# KiCad board GanJing 65 rev 2 solder-rounded.kicad_pcb (continued)
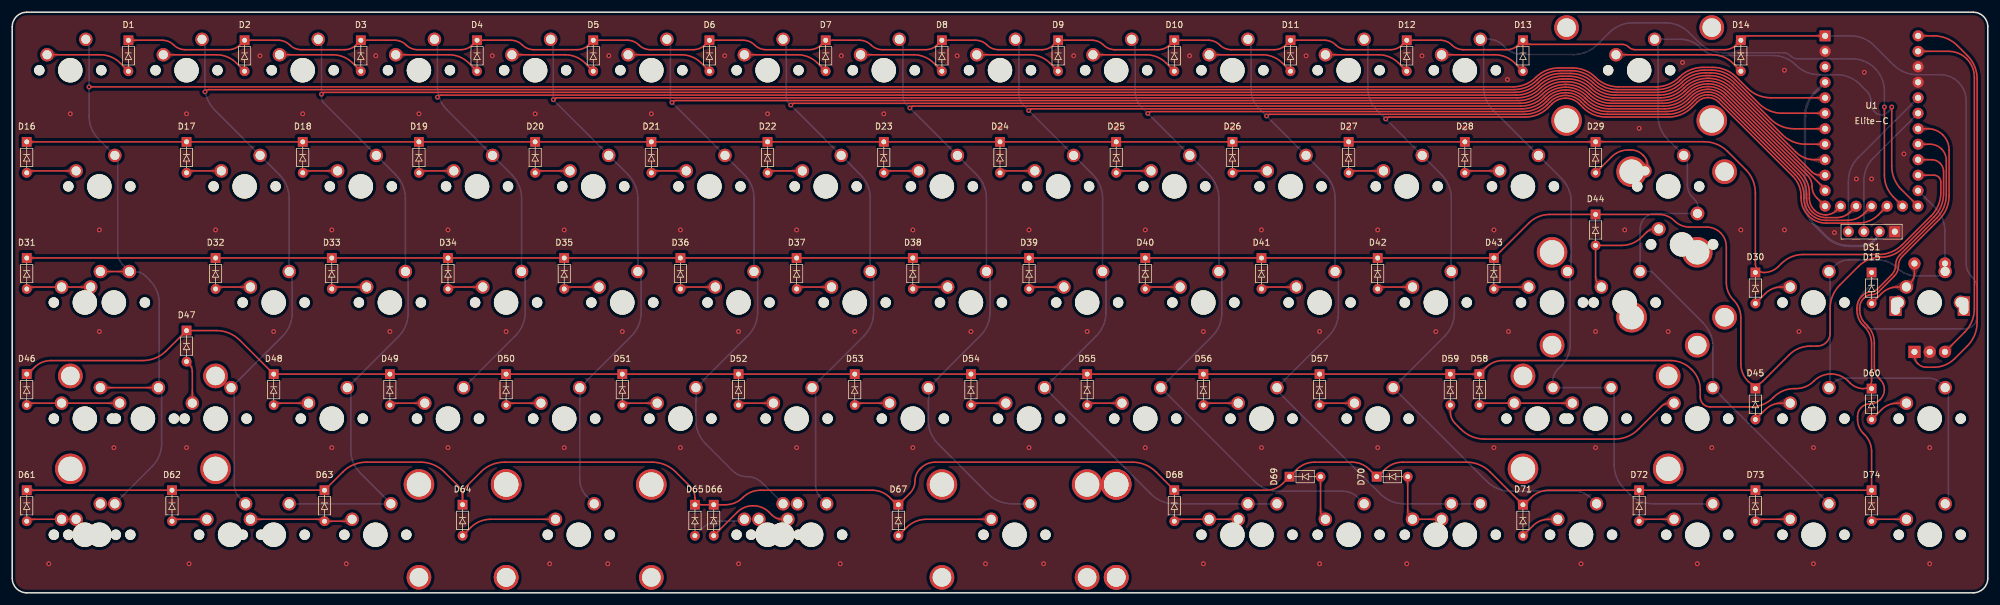
[diagram p0: board, top side]
## Copper pours and planes (outline as drawn; the poured copper is in the pictures) (continued)
col_8 on Top: 295.83,64.61 295.97,64.45 296.07,64.31 296.13,64.17 296.18,64.04 296.2,63.91 296.21,63.78 296.23,63.64 296.24,63.48 296.28,63.32 296.33,63.13 297.5,63.11 297.48,64.28 297.29,64.33 297.13,64.37 296.97,64.38 296.83,64.4 296.7,64.41 296.57,64.43 296.44,64.48 296.3,64.54 296.16,64.64 296,64.78
col_8 on Bottom: 146.12,88.77 146.14,89.05 146.17,89.29 146.21,89.49 146.26,89.67 146.32,89.83 146.38,89.99 146.43,90.16 146.47,90.34 146.5,90.55 146.51,90.81 145.12,91.27 144.83,89.87 145,89.78 145.16,89.69 145.31,89.62 145.44,89.55 145.57,89.47 145.67,89.38 145.76,89.28 145.82,89.14 145.86,88.98 145.88,88.77
col_8 on Bottom: 146.12,88.77 146.14,89.05 146.17,89.29 146.21,89.49 146.26,89.67 146.32,89.83 146.38,89.99 146.43,90.16 146.47,90.34 146.5,90.55 146.51,90.81 145.12,91.27 144.83,89.87 145,89.78 145.16,89.69 145.31,89.62 145.44,89.55 145.57,89.47 145.67,89.38 145.76,89.28 145.82,89.14 145.86,88.98 145.88,88.77
col_8 on Bottom: 160.43,50.68 160.44,50.96 160.46,51.2 160.51,51.4 160.56,51.57 160.61,51.73 160.67,51.89 160.72,52.06 160.76,52.24 160.79,52.45 160.8,52.71 159.4,53.17 159.13,51.77 159.3,51.67 159.46,51.59 159.61,51.52 159.74,51.45 159.87,51.37 159.97,51.29 160.06,51.18 160.12,51.05 160.16,50.88 160.18,50.68
col_8 on Bottom: 159.58,54.9 159.56,54.63 159.52,54.42 159.46,54.25 159.38,54.1 159.28,53.97 159.18,53.84 159.06,53.71 158.94,53.56 158.83,53.39 158.71,53.18 159.7,52.16 160.69,53.18 160.58,53.39 160.46,53.56 160.34,53.71 160.23,53.84 160.12,53.97 160.03,54.1 159.94,54.25 159.88,54.42 159.84,54.63 159.83,54.9
col_8 on Bottom: 164.66,14.48 164.92,14.47 165.13,14.43 165.3,14.36 165.45,14.28 165.58,14.19 165.71,14.08 165.84,13.97 165.99,13.85 166.16,13.73 166.37,13.62 167.4,14.6 166.37,15.59 166.16,15.48 165.99,15.36 165.84,15.24 165.71,15.13 165.58,15.02 165.45,14.93 165.3,14.85 165.13,14.78 164.92,14.74 164.66,14.73
col_8 on Bottom: 159.58,54.9 159.56,54.63 159.52,54.42 159.46,54.25 159.38,54.1 159.28,53.97 159.18,53.84 159.06,53.71 158.94,53.56 158.83,53.39 158.71,53.18 159.7,52.16 160.69,53.18 160.58,53.39 160.46,53.56 160.34,53.71 160.23,53.84 160.12,53.97 160.03,54.1 159.94,54.25 159.88,54.42 159.84,54.63 159.83,54.9
col_8 on Bottom: 164.66,14.48 164.92,14.47 165.13,14.43 165.3,14.36 165.45,14.28 165.58,14.19 165.71,14.08 165.84,13.97 165.99,13.85 166.16,13.73 166.37,13.62 167.4,14.6 166.37,15.59 166.16,15.48 165.99,15.36 165.84,15.24 165.71,15.13 165.58,15.02 165.45,14.93 165.3,14.85 165.13,14.78 164.92,14.74 164.66,14.73
col_8 on Bottom: 160.43,50.68 160.44,50.96 160.46,51.2 160.51,51.4 160.56,51.57 160.61,51.73 160.67,51.89 160.72,52.06 160.76,52.24 160.79,52.45 160.8,52.71 159.4,53.17 159.13,51.77 159.3,51.67 159.46,51.59 159.61,51.52 159.74,51.45 159.87,51.37 159.97,51.29 160.06,51.18 160.12,51.05 160.16,50.88 160.18,50.68
col_9 on Top: 298.32,62.09 298.54,62.19 298.73,62.26 298.9,62.31 299.05,62.35 299.19,62.38 299.33,62.4 299.48,62.43 299.63,62.47 299.81,62.51 300.02,62.58 300.04,63.75 298.87,63.73 298.82,63.54 298.78,63.36 298.76,63.2 298.75,63.04 298.72,62.9 298.69,62.77 298.63,62.64 298.53,62.53 298.4,62.42 298.22,62.32
col_9 on Top: 298.32,62.09 298.54,62.19 298.73,62.26 298.9,62.31 299.05,62.35 299.19,62.38 299.33,62.4 299.48,62.43 299.63,62.47 299.81,62.51 300.02,62.58 300.04,63.75 298.87,63.73 298.82,63.54 298.78,63.36 298.76,63.2 298.75,63.04 298.72,62.9 298.69,62.77 298.63,62.64 298.53,62.53 298.4,62.42 298.22,62.32
col_9 on Bottom: 179.43,50.65 179.44,50.94 179.47,51.18 179.52,51.38 179.58,51.56 179.64,51.72 179.7,51.88 179.76,52.05 179.81,52.23 179.84,52.45 179.85,52.71 178.48,53.18 178.13,51.8 178.3,51.69 178.46,51.6 178.61,51.52 178.74,51.45 178.87,51.37 178.97,51.28 179.06,51.16 179.12,51.03 179.16,50.86 179.18,50.65
col_9 on Bottom: 178.63,54.9 178.61,54.63 178.57,54.42 178.51,54.25 178.43,54.1 178.33,53.97 178.23,53.84 178.11,53.71 177.99,53.56 177.88,53.39 177.76,53.18 178.75,52.16 179.74,53.18 179.63,53.39 179.51,53.56 179.39,53.71 179.28,53.84 179.17,53.97 179.08,54.1 178.99,54.25 178.93,54.42 178.89,54.63 178.88,54.9
col_9 on Bottom: 178.63,54.9 178.61,54.63 178.57,54.42 178.51,54.25 178.43,54.1 178.33,53.97 178.23,53.84 178.11,53.71 177.99,53.56 177.88,53.39 177.76,53.18 178.75,52.16 179.74,53.18 179.63,53.39 179.51,53.56 179.39,53.71 179.28,53.84 179.17,53.97 179.08,54.1 178.99,54.25 178.93,54.42 178.89,54.63 178.88,54.9
col_9 on Bottom: 179.43,50.65 179.44,50.94 179.47,51.18 179.52,51.38 179.58,51.56 179.64,51.72 179.7,51.88 179.76,52.05 179.81,52.23 179.84,52.45 179.85,52.71 178.48,53.18 178.13,51.8 178.3,51.69 178.46,51.6 178.61,51.52 178.74,51.45 178.87,51.37 178.97,51.28 179.06,51.16 179.12,51.03 179.16,50.86 179.18,50.65
col_9 on Bottom: 205.14,14.48 205.4,14.47 205.61,14.43 205.78,14.36 205.93,14.28 206.07,14.19 206.19,14.08 206.32,13.97 206.47,13.85 206.64,13.73 206.85,13.62 207.88,14.6 206.85,15.59 206.64,15.48 206.47,15.36 206.32,15.24 206.19,15.13 206.07,15.02 205.93,14.93 205.78,14.85 205.61,14.78 205.4,14.74 205.14,14.73
col_9 on Bottom: 165.12,88.74 165.14,89.03 165.17,89.27 165.22,89.47 165.28,89.65 165.34,89.82 165.41,89.98 165.47,90.15 165.52,90.33 165.55,90.55 165.56,90.81 164.2,91.29 163.83,89.91 164,89.8 164.16,89.71 164.31,89.63 164.44,89.55 164.57,89.47 164.67,89.37 164.76,89.26 164.82,89.12 164.86,88.95 164.88,88.74
col_9 on Bottom: 205.14,14.48 205.4,14.47 205.61,14.43 205.78,14.36 205.93,14.28 206.07,14.19 206.19,14.08 206.32,13.97 206.47,13.85 206.64,13.73 206.85,13.62 207.88,14.6 206.85,15.59 206.64,15.48 206.47,15.36 206.32,15.24 206.19,15.13 206.07,15.02 205.93,14.93 205.78,14.85 205.61,14.78 205.4,14.74 205.14,14.73
col_9 on Bottom: 165.12,88.74 165.14,89.03 165.17,89.27 165.22,89.47 165.28,89.65 165.34,89.82 165.41,89.98 165.47,90.15 165.52,90.33 165.55,90.55 165.56,90.81 164.2,91.29 163.83,89.91 164,89.8 164.16,89.71 164.31,89.63 164.44,89.55 164.57,89.47 164.67,89.37 164.76,89.26 164.82,89.12 164.86,88.95 164.88,88.74
col_10 on Top: 300.66,61.84 300.91,61.97 301.12,62.08 301.3,62.16 301.47,62.23 301.62,62.28 301.78,62.33 302.12,62.44 302.32,62.5 302.56,62.58 302.58,63.75 301.41,63.73 301.34,63.5 301.29,63.29 301.26,63.11 301.22,62.93 301.18,62.77 301.12,62.62 301.04,62.47 300.92,62.33 300.76,62.2 300.54,62.06
col_10 on Top: 300.66,61.84 300.91,61.97 301.12,62.08 301.3,62.16 301.47,62.23 301.62,62.28 301.78,62.33 302.12,62.44 302.32,62.5 302.56,62.58 302.58,63.75 301.41,63.73 301.34,63.5 301.29,63.29 301.26,63.11 301.22,62.93 301.18,62.77 301.12,62.62 301.04,62.47 300.92,62.33 300.76,62.2 300.54,62.06
col_10 on Bottom: 198.43,50.62 198.44,50.91 198.47,51.15 198.53,51.36 198.59,51.54 198.66,51.71 198.73,51.87 198.8,52.04 198.85,52.23 198.89,52.44 198.9,52.71 197.56,53.2 197.13,51.83 197.3,51.71 197.46,51.62 197.61,51.53 197.74,51.45 197.87,51.36 197.97,51.27 198.06,51.15 198.12,51.01 198.16,50.83 198.18,50.62
col_10 on Bottom: 197.68,54.9 197.66,54.63 197.62,54.42 197.56,54.25 197.48,54.1 197.38,53.97 197.28,53.84 197.16,53.71 197.04,53.56 196.93,53.39 196.81,53.18 197.8,52.16 198.79,53.18 198.68,53.39 198.56,53.56 198.44,53.71 198.33,53.84 198.22,53.97 198.13,54.1 198.04,54.25 197.98,54.42 197.94,54.63 197.93,54.9
col_10 on Bottom: 219.64,16.17 219.89,16.02 220.07,15.87 220.2,15.71 220.29,15.54 220.35,15.36 220.39,15.17 220.42,14.96 220.45,14.74 220.5,14.5 220.58,14.24 222,14.22 221.98,15.64 221.7,15.73 221.47,15.8 221.26,15.86 221.07,15.9 220.89,15.95 220.7,16 220.51,16.06 220.29,16.14 220.04,16.25 219.75,16.39
col_10 on Bottom: 219.64,16.17 219.89,16.02 220.07,15.87 220.2,15.71 220.29,15.54 220.35,15.36 220.39,15.17 220.42,14.96 220.45,14.74 220.5,14.5 220.58,14.24 222,14.22 221.98,15.64 221.7,15.73 221.47,15.8 221.26,15.86 221.07,15.9 220.89,15.95 220.7,16 220.51,16.06 220.29,16.14 220.04,16.25 219.75,16.39
col_10 on Bottom: 184.22,88.77 184.24,89.05 184.27,89.29 184.31,89.49 184.36,89.67 184.42,89.83 184.48,89.99 184.53,90.16 184.57,90.34 184.6,90.55 184.61,90.81 183.22,91.27 182.93,89.87 183.1,89.78 183.26,89.69 183.41,89.62 183.54,89.55 183.67,89.47 183.77,89.38 183.86,89.28 183.92,89.14 183.96,88.98 183.97,88.77
col_10 on Bottom: 184.22,88.77 184.24,89.05 184.27,89.29 184.31,89.49 184.36,89.67 184.42,89.83 184.48,89.99 184.53,90.16 184.57,90.34 184.6,90.55 184.61,90.81 183.22,91.27 182.93,89.87 183.1,89.78 183.26,89.69 183.41,89.62 183.54,89.55 183.67,89.47 183.77,89.38 183.86,89.28 183.92,89.14 183.96,88.98 183.97,88.77
col_10 on Bottom: 198.43,50.62 198.44,50.91 198.47,51.15 198.53,51.36 198.59,51.54 198.66,51.71 198.73,51.87 198.8,52.04 198.85,52.23 198.89,52.44 198.9,52.71 197.56,53.2 197.13,51.83 197.3,51.71 197.46,51.62 197.61,51.53 197.74,51.45 197.87,51.36 197.97,51.27 198.06,51.15 198.12,51.01 198.16,50.83 198.18,50.62
col_10 on Bottom: 197.68,54.9 197.66,54.63 197.62,54.42 197.56,54.25 197.48,54.1 197.38,53.97 197.28,53.84 197.16,53.71 197.04,53.56 196.93,53.39 196.81,53.18 197.8,52.16 198.79,53.18 198.68,53.39 198.56,53.56 198.44,53.71 198.33,53.84 198.22,53.97 198.13,54.1 198.04,54.25 197.98,54.42 197.94,54.63 197.93,54.9
col_11 on Top: 303,61.6 303.27,61.77 303.5,61.91 303.7,62.02 303.88,62.11 304.05,62.19 304.22,62.27 304.4,62.34 304.6,62.41 304.83,62.49 305.1,62.58 305.12,63.75 303.95,63.73 303.87,63.46 303.8,63.23 303.75,63.02 303.7,62.82 303.64,62.64 303.56,62.47 303.45,62.31 303.31,62.15 303.11,61.98 302.87,61.81
col_11 on Top: 303,61.6 303.27,61.77 303.5,61.91 303.7,62.02 303.88,62.11 304.05,62.19 304.22,62.27 304.4,62.34 304.6,62.41 304.83,62.49 305.1,62.58 305.12,63.75 303.95,63.73 303.87,63.46 303.8,63.23 303.75,63.02 303.7,62.82 303.64,62.64 303.56,62.47 303.45,62.31 303.31,62.15 303.11,61.98 302.87,61.81
col_11 on Bottom: 216.73,54.9 216.71,54.63 216.67,54.42 216.61,54.25 216.53,54.1 216.43,53.97 216.33,53.84 216.21,53.71 216.09,53.56 215.98,53.39 215.86,53.18 216.85,52.16 217.84,53.18 217.73,53.39 217.61,53.56 217.49,53.71 217.38,53.84 217.27,53.97 217.18,54.1 217.09,54.25 217.03,54.42 216.99,54.63 216.98,54.9
col_11 on Bottom: 203.22,88.74 203.24,89.03 203.27,89.27 203.32,89.47 203.38,89.65 203.44,89.82 203.51,89.98 203.57,90.15 203.62,90.33 203.65,90.55 203.66,90.81 202.3,91.29 201.93,89.91 202.1,89.8 202.26,89.71 202.41,89.63 202.54,89.55 202.67,89.47 202.77,89.37 202.86,89.26 202.92,89.12 202.96,88.95 202.97,88.74
col_11 on Bottom: 208.79,35.29 208.59,35.12 208.42,35 208.25,34.92 208.09,34.87 207.92,34.84 207.76,34.83 207.59,34.82 207.4,34.8 207.19,34.76 206.97,34.69 206.94,33.27 208.37,33.29 208.43,33.52 208.47,33.73 208.49,33.91 208.5,34.09 208.52,34.25 208.54,34.41 208.59,34.57 208.67,34.74 208.79,34.92 208.96,35.12
col_11 on Bottom: 216.73,54.9 216.71,54.63 216.67,54.42 216.61,54.25 216.53,54.1 216.43,53.97 216.33,53.84 216.21,53.71 216.09,53.56 215.98,53.39 215.86,53.18 216.85,52.16 217.84,53.18 217.73,53.39 217.61,53.56 217.49,53.71 217.38,53.84 217.27,53.97 217.18,54.1 217.09,54.25 217.03,54.42 216.99,54.63 216.98,54.9
col_11 on Bottom: 238.47,14.48 238.74,14.47 238.95,14.43 239.12,14.36 239.27,14.28 239.4,14.19 239.53,14.08 239.66,13.97 239.81,13.85 239.98,13.73 240.19,13.62 241.22,14.6 240.19,15.59 239.98,15.48 239.81,15.36 239.66,15.24 239.53,15.13 239.4,15.02 239.27,14.93 239.12,14.85 238.95,14.78 238.74,14.74 238.47,14.73
col_11 on Bottom: 208.79,35.29 208.59,35.12 208.42,35 208.25,34.92 208.09,34.87 207.92,34.84 207.76,34.83 207.59,34.82 207.4,34.8 207.19,34.76 206.97,34.69 206.94,33.27 208.37,33.29 208.43,33.52 208.47,33.73 208.49,33.91 208.5,34.09 208.52,34.25 208.54,34.41 208.59,34.57 208.67,34.74 208.79,34.92 208.96,35.12
col_11 on Bottom: 203.22,88.74 203.24,89.03 203.27,89.27 203.32,89.47 203.38,89.65 203.44,89.82 203.51,89.98 203.57,90.15 203.62,90.33 203.65,90.55 203.66,90.81 202.3,91.29 201.93,89.91 202.1,89.8 202.26,89.71 202.41,89.63 202.54,89.55 202.67,89.47 202.77,89.37 202.86,89.26 202.92,89.12 202.96,88.95 202.97,88.74
col_11 on Bottom: 238.47,14.48 238.74,14.47 238.95,14.43 239.12,14.36 239.27,14.28 239.4,14.19 239.53,14.08 239.66,13.97 239.81,13.85 239.98,13.73 240.19,13.62 241.22,14.6 240.19,15.59 239.98,15.48 239.81,15.36 239.66,15.24 239.53,15.13 239.4,15.02 239.27,14.93 239.12,14.85 238.95,14.78 238.74,14.74 238.47,14.73
col_11 on Bottom: 208.7,31.98 208.55,32.16 208.44,32.32 208.38,32.47 208.35,32.62 208.34,32.77 208.36,32.93 208.4,33.27 208.42,33.47 208.43,33.68 207.08,34.14 206.67,32.77 206.88,32.63 207.08,32.53 207.26,32.46 207.43,32.41 207.6,32.36 207.77,32.3 207.94,32.23 208.12,32.14 208.31,32 208.53,31.8
col_11 on Bottom: 217.53,50.65 217.54,50.94 217.57,51.18 217.62,51.38 217.68,51.56 217.74,51.72 217.8,51.88 217.86,52.05 217.91,52.23 217.94,52.45 217.95,52.71 216.58,53.18 216.23,51.8 216.4,51.69 216.56,51.6 216.71,51.52 216.84,51.45 216.97,51.37 217.07,51.28 217.16,51.16 217.22,51.03 217.26,50.86 217.28,50.65
col_11 on Bottom: 208.7,31.98 208.55,32.16 208.44,32.32 208.38,32.47 208.35,32.62 208.34,32.77 208.36,32.93 208.4,33.27 208.42,33.47 208.43,33.68 207.08,34.14 206.67,32.77 206.88,32.63 207.08,32.53 207.26,32.46 207.43,32.41 207.6,32.36 207.77,32.3 207.94,32.23 208.12,32.14 208.31,32 208.53,31.8
col_11 on Bottom: 217.53,50.65 217.54,50.94 217.57,51.18 217.62,51.38 217.68,51.56 217.74,51.72 217.8,51.88 217.86,52.05 217.91,52.23 217.94,52.45 217.95,52.71 216.58,53.18 216.23,51.8 216.4,51.69 216.56,51.6 216.71,51.52 216.84,51.45 216.97,51.37 217.07,51.28 217.16,51.16 217.22,51.03 217.26,50.86 217.28,50.65
col_12 on Top: 306.16,62.08 306.32,62.22 306.46,62.32 306.6,62.38 306.73,62.43 306.86,62.45 306.99,62.46 307.13,62.48 307.29,62.49 307.45,62.53 307.64,62.58 307.66,63.75 306.49,63.73 306.44,63.54 306.4,63.38 306.39,63.22 306.37,63.08 306.36,62.95 306.34,62.82 306.29,62.69 306.23,62.55 306.13,62.41 305.99,62.25
col_12 on Top: 306.16,62.08 306.32,62.22 306.46,62.32 306.6,62.38 306.73,62.43 306.86,62.45 306.99,62.46 307.13,62.48 307.29,62.49 307.45,62.53 307.64,62.58 307.66,63.75 306.49,63.73 306.44,63.54 306.4,63.38 306.39,63.22 306.37,63.08 306.36,62.95 306.34,62.82 306.29,62.69 306.23,62.55 306.13,62.41 305.99,62.25
col_12 on Bottom: 257.74,16.17 257.99,16.02 258.17,15.87 258.3,15.71 258.39,15.54 258.45,15.36 258.49,15.17 258.52,14.96 258.55,14.74 258.6,14.5 258.68,14.24 260.1,14.22 260.08,15.64 259.8,15.73 259.57,15.8 259.36,15.86 259.17,15.9 258.99,15.95 258.8,16 258.61,16.06 258.39,16.14 258.14,16.25 257.85,16.39
col_12 on Bottom: 222.33,88.77 222.34,89.05 222.37,89.29 222.41,89.49 222.46,89.67 222.52,89.83 222.58,89.99 222.63,90.16 222.67,90.34 222.7,90.55 222.71,90.81 221.32,91.27 221.03,89.87 221.2,89.78 221.36,89.69 221.51,89.62 221.64,89.55 221.77,89.47 221.87,89.38 221.96,89.28 222.02,89.14 222.06,88.98 222.08,88.77
col_12 on Bottom: 236.53,50.62 236.54,50.91 236.57,51.15 236.63,51.36 236.69,51.54 236.76,51.71 236.83,51.87 236.9,52.04 236.95,52.23 236.99,52.44 237,52.71 235.66,53.2 235.23,51.83 235.4,51.71 235.56,51.62 235.71,51.53 235.84,51.45 235.97,51.36 236.07,51.27 236.16,51.15 236.22,51.01 236.26,50.83 236.28,50.62
col_12 on Bottom: 235.78,54.9 235.76,54.63 235.72,54.42 235.66,54.25 235.58,54.1 235.48,53.97 235.38,53.84 235.26,53.71 235.14,53.56 235.03,53.39 234.91,53.18 235.9,52.16 236.89,53.18 236.78,53.39 236.66,53.56 236.54,53.71 236.43,53.84 236.32,53.97 236.23,54.1 236.14,54.25 236.08,54.42 236.04,54.63 236.03,54.9
col_12 on Bottom: 235.78,54.9 235.76,54.63 235.72,54.42 235.66,54.25 235.58,54.1 235.48,53.97 235.38,53.84 235.26,53.71 235.14,53.56 235.03,53.39 234.91,53.18 235.9,52.16 236.89,53.18 236.78,53.39 236.66,53.56 236.54,53.71 236.43,53.84 236.32,53.97 236.23,54.1 236.14,54.25 236.08,54.42 236.04,54.63 236.03,54.9
col_12 on Bottom: 222.33,88.77 222.34,89.05 222.37,89.29 222.41,89.49 222.46,89.67 222.52,89.83 222.58,89.99 222.63,90.16 222.67,90.34 222.7,90.55 222.71,90.81 221.32,91.27 221.03,89.87 221.2,89.78 221.36,89.69 221.51,89.62 221.64,89.55 221.77,89.47 221.87,89.38 221.96,89.28 222.02,89.14 222.06,88.98 222.08,88.77
col_12 on Bottom: 257.74,16.17 257.99,16.02 258.17,15.87 258.3,15.71 258.39,15.54 258.45,15.36 258.49,15.17 258.52,14.96 258.55,14.74 258.6,14.5 258.68,14.24 260.1,14.22 260.08,15.64 259.8,15.73 259.57,15.8 259.36,15.86 259.17,15.9 258.99,15.95 258.8,16 258.61,16.06 258.39,16.14 258.14,16.25 257.85,16.39
col_12 on Bottom: 236.53,50.62 236.54,50.91 236.57,51.15 236.63,51.36 236.69,51.54 236.76,51.71 236.83,51.87 236.9,52.04 236.95,52.23 236.99,52.44 237,52.71 235.66,53.2 235.23,51.83 235.4,51.71 235.56,51.62 235.71,51.53 235.84,51.45 235.97,51.36 236.07,51.27 236.16,51.15 236.22,51.01 236.26,50.83 236.28,50.62
col_13 on Top: 308.53,64.61 308.67,64.45 308.77,64.31 308.83,64.17 308.88,64.04 308.9,63.91 308.91,63.78 308.93,63.64 308.94,63.48 308.98,63.32 309.03,63.13 310.2,63.11 310.18,64.28 309.99,64.33 309.83,64.37 309.67,64.38 309.53,64.4 309.4,64.41 309.27,64.43 309.14,64.48 309,64.54 308.86,64.64 308.7,64.78
col_13 on Top: 308.53,64.61 308.67,64.45 308.77,64.31 308.83,64.17 308.88,64.04 308.9,63.91 308.91,63.78 308.93,63.64 308.94,63.48 308.98,63.32 309.03,63.13 310.2,63.11 310.18,64.28 309.99,64.33 309.83,64.37 309.67,64.38 309.53,64.4 309.4,64.41 309.27,64.43 309.14,64.48 309,64.54 308.86,64.64 308.7,64.78
col_13 on Bottom: 255.43,54.73 255.41,54.52 255.38,54.36 255.31,54.23 255.23,54.12 255.12,54.03 255,53.96 254.86,53.89 254.71,53.82 254.55,53.74 254.39,53.65 254.65,52.24 256.05,52.71 256.04,52.96 256.01,53.17 255.97,53.35 255.92,53.51 255.87,53.67 255.81,53.83 255.76,54.01 255.72,54.21 255.69,54.44 255.68,54.73
col_13 on Bottom: 259.91,33.53 260.17,33.52 260.38,33.48 260.55,33.41 260.7,33.33 260.83,33.24 260.96,33.13 261.09,33.02 261.24,32.9 261.41,32.78 261.62,32.66 262.65,33.66 261.62,34.65 261.41,34.53 261.24,34.41 261.09,34.29 260.96,34.18 260.83,34.07 260.7,33.98 260.55,33.9 260.38,33.83 260.17,33.79 259.91,33.78
col_13 on Bottom: 276.57,14.48 276.84,14.47 277.05,14.43 277.22,14.36 277.37,14.28 277.5,14.19 277.63,14.08 277.76,13.97 277.91,13.85 278.08,13.73 278.29,13.62 279.31,14.6 278.29,15.59 278.08,15.48 277.91,15.36 277.76,15.24 277.63,15.13 277.5,15.02 277.37,14.93 277.22,14.85 277.05,14.78 276.84,14.74 276.57,14.73
col_13 on Bottom: 255.43,54.73 255.41,54.52 255.38,54.36 255.31,54.23 255.23,54.12 255.12,54.03 255,53.96 254.86,53.89 254.71,53.82 254.55,53.74 254.39,53.65 254.65,52.24 256.05,52.71 256.04,52.96 256.01,53.17 255.97,53.35 255.92,53.51 255.87,53.67 255.81,53.83 255.76,54.01 255.72,54.21 255.69,54.44 255.68,54.73
col_13 on Bottom: 243.15,90.74 242.86,90.85 242.62,90.95 242.42,91.05 242.24,91.15 242.09,91.24 241.77,91.44 241.6,91.55 241.39,91.67 241.14,91.8 240.11,90.81 241.14,89.81 241.37,89.94 241.57,90.07 241.74,90.2 241.9,90.33 242.05,90.43 242.21,90.52 242.38,90.58 242.58,90.6 242.8,90.58 243.07,90.51
col_13 on Bottom: 262.72,31.57 262.74,31.86 262.77,32.11 262.83,32.31 262.89,32.49 262.96,32.66 263.03,32.82 263.09,32.99 263.15,33.18 263.18,33.4 263.2,33.66 261.85,34.14 261.43,32.78 261.6,32.66 261.76,32.56 261.91,32.48 262.04,32.4 262.17,32.31 262.27,32.22 262.36,32.1 262.42,31.96 262.46,31.79 262.47,31.57
col_13 on Bottom: 259.91,33.53 260.17,33.52 260.38,33.48 260.55,33.41 260.7,33.33 260.83,33.24 260.96,33.13 261.09,33.02 261.24,32.9 261.41,32.78 261.62,32.66 262.65,33.66 261.62,34.65 261.41,34.53 261.24,34.41 261.09,34.29 260.96,34.18 260.83,34.07 260.7,33.98 260.55,33.9 260.38,33.83 260.17,33.79 259.91,33.78
col_13 on Bottom: 255.53,50.6 255.54,50.89 255.58,51.13 255.63,51.34 255.7,51.52 255.78,51.68 255.85,51.84 255.92,52.01 255.99,52.19 256.03,52.41 256.05,52.67 254.73,53.21 254.24,51.86 254.41,51.74 254.56,51.63 254.71,51.54 254.85,51.45 254.97,51.36 255.07,51.26 255.16,51.14 255.22,51 255.26,50.82 255.28,50.6
col_13 on Bottom: 262.72,31.57 262.74,31.86 262.77,32.11 262.83,32.31 262.89,32.49 262.96,32.66 263.03,32.82 263.09,32.99 263.15,33.18 263.18,33.4 263.2,33.66 261.85,34.14 261.43,32.78 261.6,32.66 261.76,32.56 261.91,32.48 262.04,32.4 262.17,32.31 262.27,32.22 262.36,32.1 262.42,31.96 262.46,31.79 262.47,31.57
col_13 on Bottom: 241.33,88.74 241.34,89.03 241.37,89.27 241.42,89.47 241.48,89.65 241.54,89.82 241.61,89.98 241.67,90.15 241.72,90.33 241.75,90.55 241.77,90.81 240.4,91.29 240.03,89.91 240.2,89.8 240.36,89.71 240.51,89.63 240.64,89.55 240.77,89.47 240.87,89.37 240.96,89.26 241.02,89.12 241.06,88.95 241.08,88.74
col_13 on Bottom: 276.57,14.48 276.84,14.47 277.05,14.43 277.22,14.36 277.37,14.28 277.5,14.19 277.63,14.08 277.76,13.97 277.91,13.85 278.08,13.73 278.29,13.62 279.31,14.6 278.29,15.59 278.08,15.48 277.91,15.36 277.76,15.24 277.63,15.13 277.5,15.02 277.37,14.93 277.22,14.85 277.05,14.78 276.84,14.74 276.57,14.73
col_13 on Bottom: 243.15,90.74 242.86,90.85 242.62,90.95 242.42,91.05 242.24,91.15 242.09,91.24 241.77,91.44 241.6,91.55 241.39,91.67 241.14,91.8 240.11,90.81 241.14,89.81 241.37,89.94 241.57,90.07 241.74,90.2 241.9,90.33 242.05,90.43 242.21,90.52 242.38,90.58 242.58,90.6 242.8,90.58 243.07,90.51
col_13 on Bottom: 255.53,50.6 255.54,50.89 255.58,51.13 255.63,51.34 255.7,51.52 255.78,51.68 255.85,51.84 255.92,52.01 255.99,52.19 256.03,52.41 256.05,52.67 254.73,53.21 254.24,51.86 254.41,51.74 254.56,51.63 254.71,51.54 254.85,51.45 254.97,51.36 255.07,51.26 255.16,51.14 255.22,51 255.26,50.82 255.28,50.6
col_13 on Bottom: 241.33,88.74 241.34,89.03 241.37,89.27 241.42,89.47 241.48,89.65 241.54,89.82 241.61,89.98 241.67,90.15 241.72,90.33 241.75,90.55 241.77,90.81 240.4,91.29 240.03,89.91 240.2,89.8 240.36,89.71 240.51,89.63 240.64,89.55 240.77,89.47 240.87,89.37 240.96,89.26 241.02,89.12 241.06,88.95 241.08,88.74
col_14 on Top: 311.07,64.61 311.21,64.45 311.31,64.31 311.37,64.17 311.42,64.04 311.44,63.91 311.45,63.78 311.47,63.64 311.48,63.48 311.52,63.32 311.57,63.13 312.74,63.11 312.72,64.28 312.53,64.33 312.37,64.37 312.21,64.38 312.07,64.4 311.94,64.41 311.81,64.43 311.68,64.48 311.54,64.54 311.4,64.64 311.24,64.78
col_14 on Top: 311.07,64.61 311.21,64.45 311.31,64.31 311.37,64.17 311.42,64.04 311.44,63.91 311.45,63.78 311.47,63.64 311.48,63.48 311.52,63.32 311.57,63.13 312.74,63.11 312.72,64.28 312.53,64.33 312.37,64.37 312.21,64.38 312.07,64.4 311.94,64.41 311.81,64.43 311.68,64.48 311.54,64.54 311.4,64.64 311.24,64.78
col_14 on Bottom: 269.92,88.75 269.94,89.04 269.97,89.28 270.01,89.48 270.07,89.66 270.13,89.82 270.19,89.98 270.25,90.15 270.3,90.34 270.33,90.55 270.34,90.81 268.96,91.28 268.63,89.89 268.8,89.79 268.96,89.7 269.11,89.62 269.24,89.55 269.37,89.47 269.47,89.38 269.56,89.27 269.62,89.13 269.66,88.96 269.67,88.75
col_14 on Bottom: 272.37,73.22 272.54,73.02 272.66,72.84 272.74,72.67 272.79,72.51 272.81,72.35 272.83,72.19 272.84,72.01 272.86,71.83 272.9,71.62 272.96,71.39 274.39,71.37 274.36,72.79 274.14,72.86 273.93,72.9 273.74,72.92 273.57,72.93 273.41,72.94 273.24,72.97 273.08,73.02 272.91,73.1 272.74,73.22 272.54,73.39
col_14 on Bottom: 296.18,16.07 296.35,15.87 296.47,15.69 296.55,15.52 296.6,15.36 296.63,15.2 296.64,15.04 296.65,14.86 296.67,14.68 296.71,14.47 296.78,14.24 298.2,14.22 298.18,15.64 297.95,15.71 297.74,15.75 297.56,15.77 297.38,15.78 297.22,15.79 297.06,15.82 296.9,15.87 296.73,15.95 296.55,16.07 296.35,16.24
col_14 on Bottom: 274.72,69.73 274.74,70.01 274.76,70.25 274.81,70.45 274.86,70.62 274.91,70.78 274.97,70.94 275.02,71.11 275.06,71.29 275.09,71.5 275.1,71.75 273.7,72.22 273.43,70.82 273.6,70.72 273.76,70.64 273.91,70.57 274.04,70.5 274.17,70.42 274.27,70.34 274.36,70.23 274.42,70.1 274.46,69.93 274.47,69.73
col_14 on Bottom: 274.01,62.1 274.27,62.09 274.49,62.05 274.67,61.99 274.83,61.9 274.96,61.8 275.09,61.69 275.23,61.58 275.38,61.46 275.55,61.34 275.77,61.22 276.82,62.23 275.77,63.24 275.55,63.12 275.38,63 275.23,62.88 275.09,62.77 274.96,62.66 274.83,62.56 274.67,62.47 274.49,62.41 274.27,62.37 274.01,62.35
col_14 on Bottom: 272.37,73.22 272.54,73.02 272.66,72.84 272.74,72.67 272.79,72.51 272.81,72.35 272.83,72.19 272.84,72.01 272.86,71.83 272.9,71.62 272.96,71.39 274.39,71.37 274.36,72.79 274.14,72.86 273.93,72.9 273.74,72.92 273.57,72.93 273.41,72.94 273.24,72.97 273.08,73.02 272.91,73.1 272.74,73.22 272.54,73.39
col_14 on Bottom: 275.81,64.3 275.93,64.13 275.99,63.96 275.99,63.82 275.94,63.67 275.86,63.54 275.76,63.4 275.63,63.26 275.5,63.11 275.38,62.94 275.27,62.76 276.24,61.67 277.12,62.95 276.97,63.13 276.85,63.29 276.76,63.43 276.67,63.55 276.5,63.81 276.41,63.94 276.3,64.09 276.16,64.27 276,64.47
col_14 on Bottom: 266.73,54.91 266.72,54.65 266.68,54.44 266.62,54.26 266.54,54.11 266.44,53.98 266.33,53.85 266.22,53.72 266.1,53.57 265.98,53.39 265.87,53.18 266.86,52.16 267.85,53.18 267.73,53.39 267.62,53.57 267.5,53.72 267.38,53.85 267.28,53.98 267.18,54.11 267.1,54.26 267.04,54.44 267,54.65 266.98,54.91
col_14 on Bottom: 271.43,90.93 271.17,90.94 270.96,90.98 270.78,91.05 270.63,91.13 270.5,91.22 270.38,91.33 270.25,91.44 270.1,91.56 269.93,91.68 269.72,91.8 268.69,90.81 269.72,89.81 269.93,89.93 270.1,90.05 270.25,90.17 270.38,90.28 270.5,90.39 270.63,90.48 270.78,90.56 270.96,90.63 271.17,90.67 271.43,90.68
col_14 on Bottom: 269.92,88.75 269.94,89.04 269.97,89.28 270.01,89.48 270.07,89.66 270.13,89.82 270.19,89.98 270.25,90.15 270.3,90.34 270.33,90.55 270.34,90.81 268.96,91.28 268.63,89.89 268.8,89.79 268.96,89.7 269.11,89.62 269.24,89.55 269.37,89.47 269.47,89.38 269.56,89.27 269.62,89.13 269.66,88.96 269.67,88.75
col_14 on Bottom: 266.73,54.91 266.72,54.65 266.68,54.44 266.62,54.26 266.54,54.11 266.44,53.98 266.33,53.85 266.22,53.72 266.1,53.57 265.98,53.39 265.87,53.18 266.86,52.16 267.85,53.18 267.73,53.39 267.62,53.57 267.5,53.72 267.38,53.85 267.28,53.98 267.18,54.11 267.1,54.26 267.04,54.44 267,54.65 266.98,54.91
col_14 on Bottom: 296.18,16.07 296.35,15.87 296.47,15.69 296.55,15.52 296.6,15.36 296.63,15.2 296.64,15.04 296.65,14.86 296.67,14.68 296.71,14.47 296.78,14.24 298.2,14.22 298.18,15.64 297.95,15.71 297.74,15.75 297.56,15.77 297.38,15.78 297.22,15.79 297.06,15.82 296.9,15.87 296.73,15.95 296.55,16.07 296.35,16.24
col_14 on Bottom: 269.06,52.59 268.89,52.74 268.73,52.86 268.59,52.94 268.45,53.01 268.32,53.06 268.19,53.11 268.06,53.17 267.93,53.24 267.79,53.35 267.64,53.48 266.31,52.71 267.34,51.72 267.53,51.83 267.7,51.97 267.86,52.12 268,52.27 268.14,52.41 268.28,52.52 268.41,52.59 268.56,52.6 268.71,52.54 268.88,52.41
